# KiCad board PieBoard.kicad_pcb
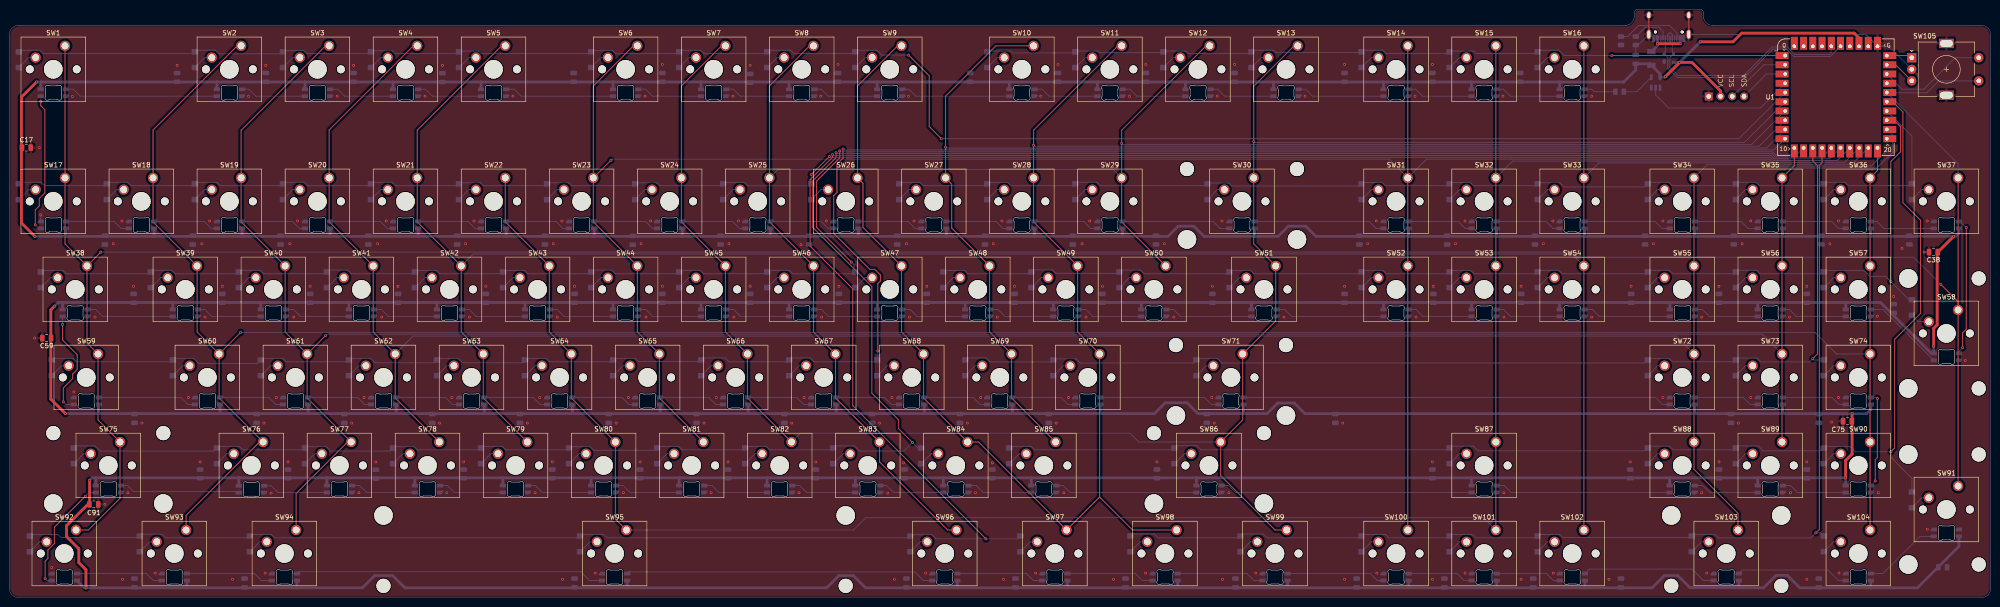
[diagram p0: board, top side]
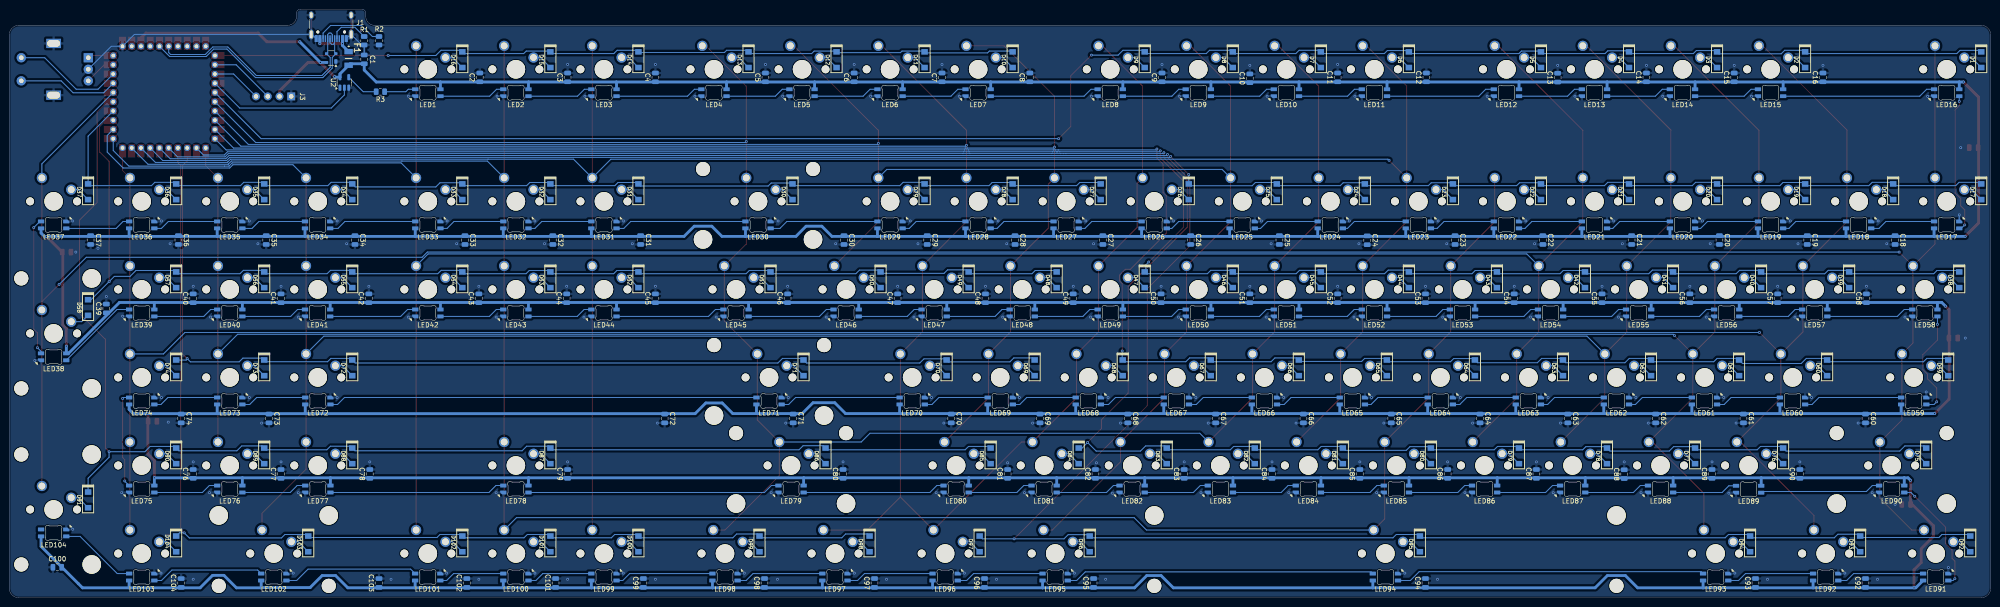
[diagram p1: board, bottom side, seen from below]

Outline 428.7 x 127.35 mm; copper layers: Top, Bottom. Coordinates in mm from the lower left corner of the outline.
Outline path: 0,2.11 0,121.78 arc(0.62,123.27) 2.11,123.88 349.73,123.88 arc(351.03,124.45) 351.56,125.76 351.56,126.53 arc(351.79,127.11) 352.37,127.35 365.76,127.35 arc(366.33,127.11) 366.56,126.53 366.56,125.76 arc(367.11,124.43) 368.44,123.88 426.6,123.88 arc(428.08,123.27) 428.7,121.79 428.7,2.1 arc(428.08,0.62) 426.6,0 2.11,0 arc(0.62,0.62) 0,2.11

## Placement (name value [footprint] x y rotation side)
C1  100nF  [C_0805_2012Metric]  351.9 116.5 270 bottom
C2  10uf  [C_0805_2012Metric]  326.9 112.6 90 bottom
C3  10uf  [C_0805_2012Metric]  307.9 112.6 90 bottom
C4  10uf  [C_0805_2012Metric]  288.9 112.6 90 bottom
C5  10uf  [C_0805_2012Metric]  265.1 112.6 90 bottom
C6  10uf  [C_0805_2012Metric]  245.9 112.6 90 bottom
C7  10uf  [C_0805_2012Metric]  226.9 112.6 90 bottom
C8  10uf  [C_0805_2012Metric]  207.9 112.6 90 bottom
C9  10uf  [C_0805_2012Metric]  179.3 112.6 90 bottom
C10  10uf  [C_0805_2012Metric]  160.3 112.4 90 bottom
C11  10uf  [C_0805_2012Metric]  141.3 112.6 90 bottom
C12  10uf  [C_0805_2012Metric]  122.1 112.6 90 bottom
C13  10uf  [C_0805_2012Metric]  93.7 112.55 90 bottom
C14  10uf  [C_0805_2012Metric]  74.5 112.6 90 bottom
C15  10uf  [C_0805_2012Metric]  55.5 112.6 90 bottom
C16  10uf  [C_0805_2012Metric]  36.3 112.6 90 bottom
C17  10uf  [C_0805_2012Metric]  3.7 97.4 0 top
C18  10uf  [C_0805_2012Metric]  20.7 77.4 270 bottom
C19  10uf  [C_0805_2012Metric]  39.7 77.4 270 bottom
C20  10uf  [C_0805_2012Metric]  58.7 77.4 270 bottom
C21  10uf  [C_0805_2012Metric]  77.7 77.4 270 bottom
C22  10uf  [C_0805_2012Metric]  96.9 77.4 270 bottom
C23  10uf  [C_0805_2012Metric]  115.9 77.4 270 bottom
C24  10uf  [C_0805_2012Metric]  134.9 77.35 270 bottom
C25  10uf  [C_0805_2012Metric]  153.9 77.4 270 bottom
C26  10uf  [C_0805_2012Metric]  173.1 77.4 270 bottom
C27  10uf  [C_0805_2012Metric]  192.1 77.4 270 bottom
C28  10uf  [C_0805_2012Metric]  211.1 77.4 270 bottom
C29  10uf  [C_0805_2012Metric]  230.1 77.4 270 bottom
C30  10uf  [C_0805_2012Metric]  248.1 77.4 270 bottom
C31  10uf  [C_0805_2012Metric]  292.1 77.4 270 bottom
C32  10uf  [C_0805_2012Metric]  311.1 77.4 270 bottom
C33  10uf  [C_0805_2012Metric]  330.1 77.4 270 bottom
C34  10uf  [C_0805_2012Metric]  353.9 77.4 270 bottom
C35  10uf  [C_0805_2012Metric]  373.1 77.4 270 bottom
C36  10uf  [C_0805_2012Metric]  392.1 77.4 270 bottom
C37  10uf  [C_0805_2012Metric]  411.1 77.4 270 bottom
C38  10uf  [C_0805_2012Metric]  416.3 74.8 180 top
C39  10uf  [C_0805_2012Metric]  407.7 62.6 90 bottom
C40  10uf  [C_0805_2012Metric]  388.9 64.8 90 bottom
C41  10uf  [C_0805_2012Metric]  369.9 64.8 90 bottom
C42  10uf  [C_0805_2012Metric]  350.9 64.8 90 bottom
C43  10uf  [C_0805_2012Metric]  327.1 64.8 90 bottom
C44  10uf  [C_0805_2012Metric]  308.1 64.8 90 bottom
C45  10uf  [C_0805_2012Metric]  288.9 64.8 90 bottom
C46  10uf  [C_0805_2012Metric]  260.3 64.8 90 bottom
C47  10uf  [C_0805_2012Metric]  236.5 64.8 90 bottom
C48  10uf  [C_0805_2012Metric]  217.5 64.8 90 bottom
C49  10uf  [C_0805_2012Metric]  198.5 64.8 90 bottom
C50  10uf  [C_0805_2012Metric]  179.5 64.8 90 bottom
C51  10uf  [C_0805_2012Metric]  160.3 64.8 90 bottom
C52  10uf  [C_0805_2012Metric]  141.3 64.8 90 bottom
C53  10uf  [C_0805_2012Metric]  122.3 64.8 90 bottom
C54  10uf  [C_0805_2012Metric]  103.1 64.8 90 bottom
C55  10uf  [C_0805_2012Metric]  84.1 64.8 90 bottom
C56  10uf  [C_0805_2012Metric]  65.1 64.8 90 bottom
C57  10uf  [C_0805_2012Metric]  46.1 64.8 90 bottom
C58  10uf  [C_0805_2012Metric]  26.9 64.8 90 bottom
C59  10uf  [C_0805_2012Metric]  8.1 56.2 180 top
C60  10uf  [C_0805_2012Metric]  27.1 38.8 270 bottom
C61  10uf  [C_0805_2012Metric]  53.5 38.8 270 bottom
C62  10uf  [C_0805_2012Metric]  72.5 38.8 270 bottom
C63  10uf  [C_0805_2012Metric]  91.5 38.8 270 bottom
C64  10uf  [C_0805_2012Metric]  110.5 38.8 270 bottom
C65  10uf  [C_0805_2012Metric]  129.7 38.8 270 bottom
C66  10uf  [C_0805_2012Metric]  148.7 38.8 270 bottom
C67  10uf  [C_0805_2012Metric]  167.7 38.8 270 bottom
C68  10uf  [C_0805_2012Metric]  186.7 38.8 270 bottom
C69  10uf  [C_0805_2012Metric]  205.7 38.8 270 bottom
C70  10uf  [C_0805_2012Metric]  224.9 38.8 270 bottom
C71  10uf  [C_0805_2012Metric]  259.1 38.8 270 bottom
C72  10uf  [C_0805_2012Metric]  286.9 38.8 270 bottom
C73  10uf  [C_0805_2012Metric]  372.5 38.8 270 bottom
C74  10uf  [C_0805_2012Metric]  391.5 38.8 270 bottom
C75  10uf  [C_0805_2012Metric]  397.7 38.2 180 top
C76  10uf  [C_0805_2012Metric]  388.9 26.8 90 bottom
C77  10uf  [C_0805_2012Metric]  369.9 26.8 90 bottom
C78  10uf  [C_0805_2012Metric]  350.7 26.8 90 bottom
C79  10uf  [C_0805_2012Metric]  307.9 26.8 90 bottom
C80  10uf  [C_0805_2012Metric]  248.3 26.8 90 bottom
C81  10uf  [C_0805_2012Metric]  212.7 26.8 90 bottom
C82  10uf  [C_0805_2012Metric]  193.7 26.8 90 bottom
C83  10uf  [C_0805_2012Metric]  174.5 26.8 90 bottom
C84  10uf  [C_0805_2012Metric]  155.5 26.8 90 bottom
C85  10uf  [C_0805_2012Metric]  136.5 26.8 90 bottom
C86  10uf  [C_0805_2012Metric]  117.5 26.8 90 bottom
C87  10uf  [C_0805_2012Metric]  98.3 26.8 90 bottom
C88  10uf  [C_0805_2012Metric]  79.3 26.75 90 bottom
C89  10uf  [C_0805_2012Metric]  60.3 26.8 90 bottom
C90  10uf  [C_0805_2012Metric]  41.3 26.8 90 bottom
C91  10uf  [C_0805_2012Metric]  18.3 20.2 0 top
C92  10uf  [C_0805_2012Metric]  27.1 3.2 90 bottom
C93  10uf  [C_0805_2012Metric]  50.9 3.2 90 bottom
C94  10uf  [C_0805_2012Metric]  122.3 3.2 90 bottom
C95  10uf  [C_0805_2012Metric]  194.1 3.2 90 bottom
C96  10uf  [C_0805_2012Metric]  217.7 3.2 90 bottom
C97  10uf  [C_0805_2012Metric]  241.5 3.2 90 bottom
C98  10uf  [C_0805_2012Metric]  265.3 3.2 90 bottom
C99  10uf  [C_0805_2012Metric]  291.5 3.2 90 bottom
C100  10uf  [C_0805_2012Metric]  418.3 6.6 0 bottom
C101  10uf  [C_0805_2012Metric]  310.5 3.2 90 bottom
C102  10uf  [C_0805_2012Metric]  329.7 3.2 90 bottom
C103  10uf  [C_0805_2012Metric]  348.7 3.2 90 bottom
C104  10uf  [C_0805_2012Metric]  391.5 3.2 90 bottom
D1  D  [D_SOD123]  2.07 116.43 270 bottom
D2  D  [D_SOD123]  40.17 116.43 270 bottom
D3  D  [D_SOD123]  59.22 116.43 270 bottom
D4  D  [D_SOD123]  78.27 116.43 270 bottom
D5  D  [D_SOD123]  97.31 116.43 270 bottom
D6  D  [D_SOD123]  125.89 116.43 270 bottom
D7  D  [D_SOD123]  144.94 116.43 270 bottom
D8  D  [D_SOD123]  163.99 116.43 270 bottom
D9  D  [D_SOD123]  183.04 116.43 270 bottom
D10  D  [D_SOD123]  211.62 116.43 270 bottom
D11  D  [D_SOD123]  230.66 116.43 270 bottom
D12  D  [D_SOD123]  249.72 116.43 270 bottom
D13  D  [D_SOD123]  268.76 116.43 270 bottom
D14  D  [D_SOD123]  292.58 116.43 270 bottom
D15  D  [D_SOD123]  311.63 116.43 270 bottom
D16  D  [D_SOD123]  330.68 116.43 270 bottom
D17  D  [D_SOD123]  2.07 87.86 270 bottom
D18  D  [D_SOD123]  21.11 87.86 270 bottom
D19  D  [D_SOD123]  40.17 87.86 270 bottom
D20  D  [D_SOD123]  59.22 87.86 270 bottom
D21  D  [D_SOD123]  78.27 87.86 270 bottom
D22  D  [D_SOD123]  97.31 87.86 270 bottom
D23  D  [D_SOD123]  116.37 87.86 270 bottom
D24  D  [D_SOD123]  135.41 87.86 270 bottom
D25  D  [D_SOD123]  154.47 87.86 270 bottom
D26  D  [D_SOD123]  173.52 87.86 270 bottom
D27  D  [D_SOD123]  192.56 87.86 270 bottom
D28  D  [D_SOD123]  211.62 87.86 270 bottom
D29  D  [D_SOD123]  230.66 87.86 270 bottom
D30  D  [D_SOD123]  259.24 87.86 270 bottom
D31  D  [D_SOD123]  292.58 87.86 270 bottom
D32  D  [D_SOD123]  311.63 87.86 270 bottom
D33  D  [D_SOD123]  330.68 87.86 270 bottom
D34  D  [D_SOD123]  354.49 87.86 270 bottom
D35  D  [D_SOD123]  373.54 87.86 270 bottom
D36  D  [D_SOD123]  392.59 87.86 270 bottom
D37  D  [D_SOD123]  411.64 87.86 270 bottom
D38  D  [D_SOD123]  6.83 68.81 270 bottom
D39  D  [D_SOD123]  30.64 68.81 270 bottom
D40  D  [D_SOD123]  49.69 68.81 270 bottom
D41  D  [D_SOD123]  68.74 68.81 270 bottom
D42  D  [D_SOD123]  87.79 68.81 270 bottom
D43  D  [D_SOD123]  106.84 68.81 270 bottom
D44  D  [D_SOD123]  125.89 68.81 270 bottom
D45  D  [D_SOD123]  144.94 68.81 270 bottom
D46  D  [D_SOD123]  163.99 68.81 270 bottom
D47  D  [D_SOD123]  183.04 68.81 270 bottom
D48  D  [D_SOD123]  202.09 68.81 270 bottom
D49  D  [D_SOD123]  221.14 68.81 270 bottom
D50  D  [D_SOD123]  240.19 68.81 270 bottom
D51  D  [D_SOD123]  264 68.81 270 bottom
D52  D  [D_SOD123]  292.58 68.81 270 bottom
D53  D  [D_SOD123]  311.63 68.81 270 bottom
D54  D  [D_SOD123]  330.68 68.81 270 bottom
D55  D  [D_SOD123]  354.49 68.81 270 bottom
D56  D  [D_SOD123]  373.54 68.81 270 bottom
D57  D  [D_SOD123]  392.59 68.81 270 bottom
D58  D  [D_SOD123]  411.65 62.8 270 bottom
D59  D  [D_SOD123]  9.21 49.75 270 bottom
D60  D  [D_SOD123]  35.4 49.75 270 bottom
D61  D  [D_SOD123]  54.45 49.75 270 bottom
D62  D  [D_SOD123]  73.5 49.75 270 bottom
D63  D  [D_SOD123]  92.55 49.75 270 bottom
D64  D  [D_SOD123]  111.6 49.75 270 bottom
D65  D  [D_SOD123]  130.65 49.75 270 bottom
D66  D  [D_SOD123]  149.7 49.75 270 bottom
D67  D  [D_SOD123]  168.75 49.75 270 bottom
D68  D  [D_SOD123]  187.8 49.75 270 bottom
D69  D  [D_SOD123]  206.85 49.75 270 bottom
D70  D  [D_SOD123]  225.9 49.75 270 bottom
D71  D  [D_SOD123]  256.86 49.75 270 bottom
D72  D  [D_SOD123]  354.49 49.75 270 bottom
D73  D  [D_SOD123]  373.54 49.75 270 bottom
D74  D  [D_SOD123]  392.59 49.75 270 bottom
D75  D  [D_SOD123]  13.97 30.7 270 bottom
D76  D  [D_SOD123]  44.93 30.7 270 bottom
D77  D  [D_SOD123]  63.98 30.7 270 bottom
D78  D  [D_SOD123]  83.03 30.7 270 bottom
D79  D  [D_SOD123]  102.08 30.7 270 bottom
D80  D  [D_SOD123]  121.13 30.7 270 bottom
D81  D  [D_SOD123]  140.18 30.7 270 bottom
D82  D  [D_SOD123]  159.23 30.7 270 bottom
D83  D  [D_SOD123]  178.28 30.7 270 bottom
D84  D  [D_SOD123]  197.33 30.7 270 bottom
D85  D  [D_SOD123]  216.38 30.7 270 bottom
D86  D  [D_SOD123]  252.1 30.7 270 bottom
D87  D  [D_SOD123]  311.63 30.7 270 bottom
D88  D  [D_SOD123]  354.49 30.7 270 bottom
D89  D  [D_SOD123]  373.54 30.7 270 bottom
D90  D  [D_SOD123]  392.59 30.7 270 bottom
D91  D  [D_SOD123]  411.64 21.18 270 bottom
D92  D  [D_SOD123]  4.45 11.66 270 bottom
D93  D  [D_SOD123]  28.26 11.66 270 bottom
D94  D  [D_SOD123]  52.07 11.66 270 bottom
D95  D  [D_SOD123]  123.51 11.66 270 bottom
D96  D  [D_SOD123]  194.95 11.66 270 bottom
D97  D  [D_SOD123]  218.76 11.66 270 bottom
D98  D  [D_SOD123]  242.57 11.66 270 bottom
D99  D  [D_SOD123]  266.38 11.66 270 bottom
D100  D  [D_SOD123]  292.58 11.66 270 bottom
D101  D  [D_SOD123]  311.63 11.66 270 bottom
D102  D  [D_SOD123]  330.68 11.66 270 bottom
D103  D  [D_SOD123]  364.01 11.66 270 bottom
D104  D  [D_SOD123]  392.59 11.66 270 bottom
D105  PRTR5V0U2X  [SOT-143]  359.04 116.79 0 bottom
F1  Fuse  [1206L05015YR]  355.27 116.7 270 bottom
J1  USB_C_Receptacle_USB2.0_16P  [USB_C_Receptacle_HRO_TYPE-C-31-M-12]  359.05 125.03 0 bottom
J3  Conn_01x04_Socket  [PinHeader_1x04_P2.54mm_Horizontal]  367.69 108.48 270 bottom
LED1  SK6812MINI  [LED_MX_6028R]  338.14 109.28 180 bottom
LED2  SK6812MINI  [LED_MX_6028R]  319.09 109.28 180 bottom
LED3  SK6812MINI  [LED_MX_6028R]  300.04 109.28 180 bottom
LED4  SK6812MINI  [LED_MX_6028R]  276.24 109.28 180 bottom
LED5  SK6812MINI  [LED_MX_6028R]  257.19 109.28 180 bottom
LED6  SK6812MINI  [LED_MX_6028R]  238.14 109.28 180 bottom
LED7  SK6812MINI  [LED_MX_6028R]  219.09 109.28 180 bottom
LED8  SK6812MINI  [LED_MX_6028R]  190.5 109.28 180 bottom
LED9  SK6812MINI  [LED_MX_6028R]  171.45 109.28 180 bottom
LED10  SK6812MINI  [LED_MX_6028R]  152.39 109.28 180 bottom
LED11  SK6812MINI  [LED_MX_6028R]  133.35 109.28 180 bottom
LED12  SK6812MINI  [LED_MX_6028R]  104.79 109.28 180 bottom
LED13  SK6812MINI  [LED_MX_6028R]  85.74 109.28 180 bottom
LED14  SK6812MINI  [LED_MX_6028R]  66.7 109.28 180 bottom
LED15  SK6812MINI  [LED_MX_6028R]  47.64 109.28 180 bottom
LED16  SK6812MINI  [LED_MX_6028R]  9.54 109.28 180 bottom
LED17  SK6812MINI  [LED_MX_6028R-ROT]  9.54 80.68 180 bottom
LED18  SK6812MINI  [LED_MX_6028R-ROT]  28.59 80.68 180 bottom
LED19  SK6812MINI  [LED_MX_6028R-ROT]  47.64 80.68 180 bottom
LED20  SK6812MINI  [LED_MX_6028R-ROT]  66.69 80.68 180 bottom
LED21  SK6812MINI  [LED_MX_6028R-ROT]  85.74 80.68 180 bottom
LED22  SK6812MINI  [LED_MX_6028R-ROT]  104.79 80.68 180 bottom
LED23  SK6812MINI  [LED_MX_6028R-ROT]  123.84 80.68 180 bottom
LED24  SK6812MINI  [LED_MX_6028R-ROT]  142.89 80.68 180 bottom
LED25  SK6812MINI  [LED_MX_6028R-ROT]  161.95 80.68 180 bottom
LED26  SK6812MINI  [LED_MX_6028R-ROT]  180.99 80.68 180 bottom
LED27  SK6812MINI  [LED_MX_6028R-ROT]  200.04 80.68 180 bottom
LED28  SK6812MINI  [LED_MX_6028R-ROT]  219.09 80.68 180 bottom
LED29  SK6812MINI  [LED_MX_6028R-ROT]  238.14 80.68 180 bottom
LED30  SK6812MINI  [LED_MX_6028R-ROT]  266.7 80.68 180 bottom
LED31  SK6812MINI  [LED_MX_6028R-ROT]  300.04 80.68 180 bottom
LED32  SK6812MINI  [LED_MX_6028R-ROT]  319.09 80.68 180 bottom
LED33  SK6812MINI  [LED_MX_6028R-ROT]  338.14 80.68 180 bottom
LED34  SK6812MINI  [LED_MX_6028R-ROT]  361.99 80.68 180 bottom
LED35  SK6812MINI  [LED_MX_6028R-ROT]  380.99 80.68 180 bottom
LED36  SK6812MINI  [LED_MX_6028R-ROT]  400.04 80.68 180 bottom
LED37  SK6812MINI  [LED_MX_6028R-ROT]  419.09 80.68 180 bottom
LED38  SK6812MINI  [LED_MX_6028R]  419.1 52.13 180 bottom
LED39  SK6812MINI  [LED_MX_6028R]  400.04 61.63 180 bottom
LED40  SK6812MINI  [LED_MX_6028R]  380.99 61.63 180 bottom
LED41  SK6812MINI  [LED_MX_6028R]  361.99 61.63 180 bottom
LED42  SK6812MINI  [LED_MX_6028R]  338.14 61.63 180 bottom
LED43  SK6812MINI  [LED_MX_6028R]  319.1 61.63 180 bottom
LED44  SK6812MINI  [LED_MX_6028R]  300.04 61.63 180 bottom
LED45  SK6812MINI  [LED_MX_6028R]  271.46 61.63 180 bottom
LED46  SK6812MINI  [LED_MX_6028R]  247.64 61.63 180 bottom
LED47  SK6812MINI  [LED_MX_6028R]  228.59 61.63 180 bottom
LED48  SK6812MINI  [LED_MX_6028R]  209.54 61.63 180 bottom
LED49  SK6812MINI  [LED_MX_6028R]  190.49 61.63 180 bottom
LED50  SK6812MINI  [LED_MX_6028R]  171.44 61.63 180 bottom
LED51  SK6812MINI  [LED_MX_6028R]  152.39 61.63 180 bottom
LED52  SK6812MINI  [LED_MX_6028R]  133.34 61.63 180 bottom
LED53  SK6812MINI  [LED_MX_6028R]  114.29 61.63 180 bottom
LED54  SK6812MINI  [LED_MX_6028R]  95.24 61.63 180 bottom
LED55  SK6812MINI  [LED_MX_6028R]  76.19 61.63 180 bottom
LED56  SK6812MINI  [LED_MX_6028R]  57.14 61.63 180 bottom
LED57  SK6812MINI  [LED_MX_6028R]  38.09 61.63 180 bottom
LED58  SK6812MINI  [LED_MX_6028R]  14.26 61.63 180 bottom
LED59  SK6812MINI  [LED_MX_6028R-ROT]  16.67 42.58 180 bottom
LED60  SK6812MINI  [LED_MX_6028R-ROT]  42.89 42.58 180 bottom
LED61  SK6812MINI  [LED_MX_6028R-ROT]  61.94 42.58 180 bottom
LED62  SK6812MINI  [LED_MX_6028R-ROT]  80.99 42.58 180 bottom
LED63  SK6812MINI  [LED_MX_6028R-ROT]  100.04 42.58 180 bottom
LED64  SK6812MINI  [LED_MX_6028R-ROT]  119.09 42.58 180 bottom
LED65  SK6812MINI  [LED_MX_6028R-ROT]  138.12 42.58 180 bottom
LED66  SK6812MINI  [LED_MX_6028R-ROT]  157.14 42.58 180 bottom
LED67  SK6812MINI  [LED_MX_6028R-ROT]  176.19 42.58 180 bottom
LED68  SK6812MINI  [LED_MX_6028R-ROT]  195.24 42.58 180 bottom
LED69  SK6812MINI  [LED_MX_6028R-ROT]  214.29 42.58 180 bottom
LED70  SK6812MINI  [LED_MX_6028R-ROT]  233.34 42.58 180 bottom
LED71  SK6812MINI  [LED_MX_6028R-ROT]  264.31 42.58 180 bottom
LED72  SK6812MINI  [LED_MX_6028R-ROT]  361.94 42.58 180 bottom
LED73  SK6812MINI  [LED_MX_6028R-ROT]  380.99 42.58 180 bottom
LED74  SK6812MINI  [LED_MX_6028R-ROT]  400.04 42.58 180 bottom
LED75  SK6812MINI  [LED_MX_6028R]  400.04 23.53 180 bottom
LED76  SK6812MINI  [LED_MX_6028R]  380.99 23.53 180 bottom
LED77  SK6812MINI  [LED_MX_6028R]  361.94 23.53 180 bottom
LED78  SK6812MINI  [LED_MX_6028R]  319.09 23.53 180 bottom
LED79  SK6812MINI  [LED_MX_6028R]  259.56 23.53 180 bottom
LED80  SK6812MINI  [LED_MX_6028R]  223.84 23.53 180 bottom
LED81  SK6812MINI  [LED_MX_6028R]  204.81 23.53 180 bottom
LED82  SK6812MINI  [LED_MX_6028R]  185.77 23.53 180 bottom
LED83  SK6812MINI  [LED_MX_6028R]  166.67 23.53 180 bottom
LED84  SK6812MINI  [LED_MX_6028R]  147.64 23.53 180 bottom
LED85  SK6812MINI  [LED_MX_6028R]  128.59 23.53 180 bottom
LED86  SK6812MINI  [LED_MX_6028R]  109.51 23.53 180 bottom
LED87  SK6812MINI  [LED_MX_6028R]  90.46 23.53 180 bottom
LED88  SK6812MINI  [LED_MX_6028R]  71.44 23.53 180 bottom
LED89  SK6812MINI  [LED_MX_6028R]  52.39 23.48 180 bottom
LED90  SK6812MINI  [LED_MX_6028R]  21.44 23.53 180 bottom
LED91  SK6812MINI  [LED_MX_6028R-ROT]  11.92 4.48 180 bottom
LED92  SK6812MINI  [LED_MX_6028R-ROT]  35.72 4.48 180 bottom
LED93  SK6812MINI  [LED_MX_6028R-ROT]  59.52 4.48 180 bottom
LED94  SK6812MINI  [LED_MX_6028R-ROT]  130.97 4.48 180 bottom
LED95  SK6812MINI  [LED_MX_6028R-ROT]  202.41 4.48 180 bottom
LED96  SK6812MINI  [LED_MX_6028R-ROT]  226.22 4.48 180 bottom
LED97  SK6812MINI  [LED_MX_6028R-ROT]  250.07 4.48 180 bottom
LED98  SK6812MINI  [LED_MX_6028R-ROT]  273.84 4.48 180 bottom
LED99  SK6812MINI  [LED_MX_6028R-ROT]  300.04 4.48 180 bottom
LED100  SK6812MINI  [LED_MX_6028R-ROT]  319.09 4.48 180 bottom
LED101  SK6812MINI  [LED_MX_6028R-ROT]  338.16 4.48 180 bottom
LED102  SK6812MINI  [LED_MX_6028R-ROT]  371.46 4.48 180 bottom
LED103  SK6812MINI  [LED_MX_6028R-ROT]  400.04 4.48 180 bottom
LED104  SK6812MINI  [LED_MX_6028R-ROT]  419.09 14.03 180 bottom
R1  5.1k  [R_0805_2012Metric]  351.91 120.53 90 bottom
R2  5.1k  [R_0805_2012Metric]  348.7 120.53 90 bottom
R3  33  [R_0805_2012Metric]  348.4 109.5 0 bottom
SW1  SW_Push  [SW_Cherry_MX_1.00u_PCB]  12.07 119.43 0 top
SW2  SW_Push  [SW_Cherry_MX_1.00u_PCB]  50.17 119.43 0 top
SW3  SW_Push  [SW_Cherry_MX_1.00u_PCB]  69.22 119.43 0 top
SW4  SW_Push  [SW_Cherry_MX_1.00u_PCB]  88.27 119.43 0 top
SW5  SW_Push  [SW_Cherry_MX_1.00u_PCB]  107.31 119.43 0 top
SW6  SW_Push  [SW_Cherry_MX_1.00u_PCB]  135.89 119.43 0 top
SW7  SW_Push  [SW_Cherry_MX_1.00u_PCB]  154.94 119.43 0 top
SW8  SW_Push  [SW_Cherry_MX_1.00u_PCB]  173.99 119.43 0 top
SW9  SW_Push  [SW_Cherry_MX_1.00u_PCB]  193.04 119.43 0 top
SW10  SW_Push  [SW_Cherry_MX_1.00u_PCB]  221.62 119.43 0 top
SW11  SW_Push  [SW_Cherry_MX_1.00u_PCB]  240.66 119.43 0 top
SW12  SW_Push  [SW_Cherry_MX_1.00u_PCB]  259.71 119.43 0 top
SW13  SW_Push  [SW_Cherry_MX_1.00u_PCB]  278.76 119.43 0 top
SW14  SW_Push  [SW_Cherry_MX_1.00u_PCB]  302.58 119.43 0 top
SW15  SW_Push  [SW_Cherry_MX_1.00u_PCB]  321.63 119.43 0 top
SW16  SW_Push  [SW_Cherry_MX_1.00u_PCB]  340.68 119.43 0 top
SW17  SW_Push  [SW_Cherry_MX_1.00u_PCB]  12.07 90.86 0 top
SW18  SW_Push  [SW_Cherry_MX_1.00u_PCB]  31.11 90.86 0 top
SW19  SW_Push  [SW_Cherry_MX_1.00u_PCB]  50.17 90.86 0 top
SW20  SW_Push  [SW_Cherry_MX_1.00u_PCB]  69.22 90.86 0 top
SW21  SW_Push  [SW_Cherry_MX_1.00u_PCB]  88.27 90.86 0 top
SW22  SW_Push  [SW_Cherry_MX_1.00u_PCB]  107.31 90.86 0 top
SW23  SW_Push  [SW_Cherry_MX_1.00u_PCB]  126.37 90.86 0 top
SW24  SW_Push  [SW_Cherry_MX_1.00u_PCB]  145.41 90.86 0 top
SW25  SW_Push  [SW_Cherry_MX_1.00u_PCB]  164.47 90.86 0 top
SW26  SW_Push  [SW_Cherry_MX_1.00u_PCB]  183.52 90.86 0 top
SW27  SW_Push  [SW_Cherry_MX_1.00u_PCB]  202.56 90.86 0 top
SW28  SW_Push  [SW_Cherry_MX_1.00u_PCB]  221.62 90.86 0 top
SW29  SW_Push  [SW_Cherry_MX_1.00u_PCB]  240.66 90.86 0 top
SW30  SW_Push  [SW_Cherry_MX_2.00u_PCB]  269.24 90.86 0 top
SW31  SW_Push  [SW_Cherry_MX_1.00u_PCB]  302.58 90.86 0 top
SW32  SW_Push  [SW_Cherry_MX_1.00u_PCB]  321.63 90.86 0 top
SW33  SW_Push  [SW_Cherry_MX_1.00u_PCB]  340.68 90.86 0 top
SW34  SW_Push  [SW_Cherry_MX_1.00u_PCB]  364.49 90.86 0 top
SW35  SW_Push  [SW_Cherry_MX_1.00u_PCB]  383.54 90.86 0 top
SW36  SW_Push  [SW_Cherry_MX_1.00u_PCB]  402.59 90.86 0 top
SW37  SW_Push  [SW_Cherry_MX_1.00u_PCB]  421.64 90.86 0 top
SW38  SW_Push  [SW_Cherry_MX_1.50u_PCB]  16.83 71.81 0 top
SW39  SW_Push  [SW_Cherry_MX_1.00u_PCB]  40.64 71.81 0 top
SW40  SW_Push  [SW_Cherry_MX_1.00u_PCB]  59.69 71.81 0 top
SW41  SW_Push  [SW_Cherry_MX_1.00u_PCB]  78.74 71.81 0 top
SW42  SW_Push  [SW_Cherry_MX_1.00u_PCB]  97.79 71.81 0 top
SW43  SW_Push  [SW_Cherry_MX_1.00u_PCB]  116.84 71.81 0 top
SW44  SW_Push  [SW_Cherry_MX_1.00u_PCB]  135.89 71.81 0 top
SW45  SW_Push  [SW_Cherry_MX_1.00u_PCB]  154.94 71.81 0 top
SW46  SW_Push  [SW_Cherry_MX_1.00u_PCB]  173.99 71.81 0 top
SW47  SW_Push  [SW_Cherry_MX_1.00u_PCB]  193.04 71.81 0 top
SW48  SW_Push  [SW_Cherry_MX_1.00u_PCB]  212.09 71.81 0 top
SW49  SW_Push  [SW_Cherry_MX_1.00u_PCB]  231.14 71.81 0 top
SW50  SW_Push  [SW_Cherry_MX_1.00u_PCB]  250.19 71.81 0 top
SW51  SW_Push  [SW_Cherry_MX_1.50u_PCB]  274 71.81 0 top
SW52  SW_Push  [SW_Cherry_MX_1.00u_PCB]  302.58 71.81 0 top
SW53  SW_Push  [SW_Cherry_MX_1.00u_PCB]  321.63 71.81 0 top
SW54  SW_Push  [SW_Cherry_MX_1.00u_PCB]  340.68 71.81 0 top
SW55  SW_Push  [SW_Cherry_MX_1.00u_PCB]  364.49 71.81 0 top
SW56  SW_Push  [SW_Cherry_MX_1.00u_PCB]  383.54 71.81 0 top
SW57  SW_Push  [SW_Cherry_MX_1.00u_PCB]  402.59 71.81 0 top
SW58  SW_Push  [SW_Cherry_MX_2.00u_Vertical_PCB_RSTAB]  421.64 62.28 0 top
SW59  SW_Push  [SW_Cherry_MX_1.75u_PCB]  19.21 52.75 0 top
SW60  SW_Push  [SW_Cherry_MX_1.00u_PCB]  45.4 52.75 0 top
SW61  SW_Push  [SW_Cherry_MX_1.00u_PCB]  64.45 52.75 0 top
SW62  SW_Push  [SW_Cherry_MX_1.00u_PCB]  83.5 52.75 0 top
SW63  SW_Push  [SW_Cherry_MX_1.00u_PCB]  102.55 52.75 0 top
SW64  SW_Push  [SW_Cherry_MX_1.00u_PCB]  121.6 52.75 0 top
SW65  SW_Push  [SW_Cherry_MX_1.00u_PCB]  140.65 52.75 0 top
SW66  SW_Push  [SW_Cherry_MX_1.00u_PCB]  159.7 52.75 0 top
SW67  SW_Push  [SW_Cherry_MX_1.00u_PCB]  178.75 52.75 0 top
SW68  SW_Push  [SW_Cherry_MX_1.00u_PCB]  197.8 52.75 0 top
SW69  SW_Push  [SW_Cherry_MX_1.00u_PCB]  216.85 52.75 0 top
SW70  SW_Push  [SW_Cherry_MX_1.00u_PCB]  235.9 52.75 0 top
SW71  SW_Push  [SW_Cherry_MX_2.25u_PCB]  266.86 52.75 0 top
SW72  SW_Push  [SW_Cherry_MX_1.00u_PCB]  364.49 52.75 0 top
SW73  SW_Push  [SW_Cherry_MX_1.00u_PCB]  383.54 52.75 0 top
SW74  SW_Push  [SW_Cherry_MX_1.00u_PCB]  402.59 52.75 0 top
SW75  SW_Push  [SW_Cherry_MX_2.25u_PCB]  23.97 33.7 0 top
SW76  SW_Push  [SW_Cherry_MX_1.00u_PCB]  54.93 33.7 0 top
SW77  SW_Push  [SW_Cherry_MX_1.00u_PCB]  73.98 33.7 0 top
SW78  SW_Push  [SW_Cherry_MX_1.00u_PCB]  93.03 33.7 0 top
SW79  SW_Push  [SW_Cherry_MX_1.00u_PCB]  112.08 33.7 0 top
SW80  SW_Push  [SW_Cherry_MX_1.00u_PCB]  131.13 33.7 0 top
SW81  SW_Push  [SW_Cherry_MX_1.00u_PCB]  150.18 33.7 0 top
SW82  SW_Push  [SW_Cherry_MX_1.00u_PCB]  169.23 33.7 0 top
SW83  SW_Push  [SW_Cherry_MX_1.00u_PCB]  188.28 33.7 0 top
SW84  SW_Push  [SW_Cherry_MX_1.00u_PCB]  207.33 33.7 0 top
SW85  SW_Push  [SW_Cherry_MX_1.00u_PCB]  226.38 33.7 0 top
SW86  SW_Push  [SW_Cherry_MX_2.75u_PCB]  262.1 33.7 0 top
SW87  SW_Push  [SW_Cherry_MX_1.00u_PCB]  321.63 33.7 0 top
SW88  SW_Push  [SW_Cherry_MX_1.00u_PCB]  364.49 33.7 0 top
SW89  SW_Push  [SW_Cherry_MX_1.00u_PCB]  383.54 33.7 0 top
SW90  SW_Push  [SW_Cherry_MX_1.00u_PCB]  402.59 33.7 0 top
SW91  SW_Push  [SW_Cherry_MX_2.00u_Vertical_PCB_RSTAB]  421.64 24.18 0 top
SW92  SW_Push  [SW_Cherry_MX_1.25u_PCB]  14.45 14.66 0 top
SW93  SW_Push  [SW_Cherry_MX_1.25u_PCB]  38.26 14.66 0 top
SW94  SW_Push  [SW_Cherry_MX_1.25u_PCB]  62.07 14.66 0 top
SW95  SW_Push  [SW_Cherry_MX_6.25u_PCB_RSTAB]  133.51 14.66 0 top
SW96  SW_Push  [SW_Cherry_MX_1.25u_PCB]  204.95 14.66 0 top
SW97  SW_Push  [SW_Cherry_MX_1.25u_PCB]  228.76 14.66 0 top
SW98  SW_Push  [SW_Cherry_MX_1.25u_PCB]  252.57 14.66 0 top
SW99  SW_Push  [SW_Cherry_MX_1.25u_PCB]  276.38 14.66 0 top
SW100  SW_Push  [SW_Cherry_MX_1.00u_PCB]  302.58 14.66 0 top
SW101  SW_Push  [SW_Cherry_MX_1.00u_PCB]  321.63 14.66 0 top
SW102  SW_Push  [SW_Cherry_MX_1.00u_PCB]  340.68 14.66 0 top
SW103  SW_Push  [SW_Cherry_MX_2.00u_PCB_RSTAB]  374.01 14.66 0 top
SW104  SW_Push  [SW_Cherry_MX_1.00u_PCB]  402.59 14.66 0 top
SW105  RotaryEncoder_Switch_MP  [RotaryEncoder_Alps_EC11E-Switch_Vertical_H20mm]  411.6 116.85 0 top
U1  RP2040_Stamp  [RP2xxx_Stamp_THT]  395.2 108.33 0 top
U2  SN74LV1T34DBV  [SOT-23-5]  356.2 111.5 90 bottom
